# Allegro board SG2042_EVB_V1_1.brd (continued)
## Routing (per net, layer and track width the routed paths; a pad name or vN(x,y) marks a point on that pad's centre or on a via; arc(x,y) is an arc through that point) (continued)
  ART03 w0.168: 106.97,85.53 91.25,85.53 87.21,89.57 80.95,89.57 arc(80.63,89.51) 80.36,89.33 80,88.97 arc(79.73,88.79) 79.41,88.72 79.05,88.72 arc(78.73,88.79) 78.46,88.97 78.1,89.33 arc(77.83,89.51) 77.51,89.57 77.15,89.57 arc(76.83,89.51) 76.56,89.33 76.2,88.97 arc(75.93,88.79) 75.61,88.72 73.23,88.72 arc(72.91,88.66) 72.64,88.48 72.28,88.12 arc(72.01,87.94) 71.68,87.87 71.56,87.87 arc(71.24,87.94) 70.96,88.12 70.61,88.48 arc(70.33,88.66) 70.01,88.72 69.66,88.72 arc(69.34,88.66) 69.06,88.48 68.71,88.12 arc(68.43,87.94) 68.11,87.87 J3.91
DDR2_PAR: length 54.9
  TOP w0.16: U1.BD2 v1(110.97,90.15)
  BOTTOM w0.089: 97.54,89.52 97.66,89.4 109.19,89.4 109.56,89.77 110.6,89.77 v1(110.97,90.15)
  BOTTOM w0.16: 97.54,89.52 89.83,97.23 87.73,97.23 83.19,101.77 82.49,101.77 82.33,101.93 82.33,104.01 82.17,104.17 81.77,104.17 81.61,104.01 81.61,101.93 81.45,101.77 76.59,101.77 76.43,101.61 76.43,100.46 76.27,100.3 75.87,100.3 75.71,100.46 75.71,101.61 75.55,101.77 74.77,101.77 arc(74.46,101.71) 74.2,101.54 73.23,100.56 73,100.56 72.63,100.93 72.41,100.93 72.12,100.65 72.12,100.42 72.49,100.05 72.49,99.83 J3.222
DDR2_PLL_TESTOUT_N: length 1.4
  TOP w0.16: U1.BA9 v1(117.97,93.15)
  BOTTOM w0.109: T26.1 v1(117.97,93.15)
DDR2_PLL_TESTOUT_P: length 1.4
  TOP w0.16: U1.AY9 v1(117.97,94.15)
  BOTTOM w0.109: T25.1 v1(117.97,94.15)
DDR2_RESET_N: length 70.6
  TOP w0.16: J3.58 67.28,121.53 arc(67.17,121.7) 67.12,121.9 67.12,121.94 arc(67.08,122.14) 66.97,122.31 66.79,122.49 arc(66.53,122.66) 66.23,122.72 64.97,122.72 arc(64.68,122.78) 64.43,122.94 T21.1 ; U1.BA5 v1(113.97,93.15)
  BOTTOM w0.114: 101.94,92.36 102.05,92.26 109.05,92.26 109.55,92.76 113.59,92.76 v1(113.97,93.15)
  BOTTOM w0.16: 101.94,92.36 91.95,102.35 89.85,102.35 87.65,104.56 87.65,113.45 82.25,118.85 82.25,119.65 81.72,120.17 80.94,120.17 arc(80.63,120.23) 80.37,120.41 79.99,120.79 arc(79.73,120.96) 79.43,121.02 79.04,121.02 arc(78.73,120.96) 78.47,120.79 78.09,120.41 arc(77.83,120.23) 77.53,120.17 77.14,120.17 arc(76.83,120.23) 76.57,120.41 76.19,120.79 arc(75.93,120.96) 75.63,121.02 74.34,121.02 arc(74.03,120.96) 73.77,120.79 73.39,120.41 arc(73.13,120.23) 72.83,120.17 71.54,120.17 arc(71.24,120.23) 70.98,120.41 70.59,120.79 arc(70.33,120.96) 70.03,121.02 J3.58
DDR2_VDDPLL: length 1
  BOTTOM w0.381: FB18.1 125.38,103.55 v1(125.47,103.65)
DDR2_VDDQCK: length 1
  BOTTOM w0.381: v1(125.47,104.65) 125.38,104.74 FB17.1
DDR3_ACT_N: length 53.5
  TOP w0.16: J4.62 79.43,117.62 arc(79.73,117.68) 79.99,117.86 80.21,118.08 arc(80.47,118.25) 80.78,118.31 81.27,118.31 81.57,118.01 89.13,118.01 94.48,123.36 94.71,123.36 96.1,121.98 96.32,121.98 96.6,122.26 96.6,122.48 95.22,123.87 95.22,124.1 95.5,124.38 95.73,124.38 97.11,122.99 97.34,122.99 97.62,123.28 97.62,123.5 96.24,124.89 96.24,125.12 96.52,125.4 96.75,125.4 98.13,124.01 98.36,124.01 98.64,124.3 98.64,124.52 97.28,125.88 97.28,126.11 97.53,126.36 97.82,126.36 99.15,125.03 99.38,125.03 99.66,125.31 99.66,125.54 99.33,125.87 99.33,126.1 99.61,126.38 99.84,126.38 100.17,126.05 100.4,126.05 100.91,126.57 109.24,126.57 109.61,126.94 109.61,126.99 109.77,127.15 110.97,127.15 U1.H2
DDR3_ALERT_N: length 42.6
  TOP w0.16: U1.J2 110.97,125.15 109.38,125.15 109.24,125.29 101.45,125.29 92.09,115.92 J4.208 79.04,115.92 arc(78.73,115.98) 78.47,116.16 78.09,116.54 arc(77.83,116.71) 77.53,116.77 77.14,116.77 arc(76.83,116.71) 76.57,116.54 76.19,116.16 arc(75.93,115.98) 75.63,115.92 73.61,115.92 R2244.1
DDR3_ATB0: length 1.4
  TOP w0.16: U1.R9 v1(117.97,120.15)
  BOTTOM w0.102: T29.1 v1(117.97,120.15)
DDR3_ATB1: length 1.4
  TOP w0.16: U1.P9 v1(117.97,121.15)
  BOTTOM w0.102: T30.1 v1(117.97,121.15)
DDR3_BA0: length 58.3
  TOP w0.16: U1.L4 v1(112.97,124.15)
  ART10 w0.089: 107.97,126.02 110.21,123.77 112.6,123.77 v1(112.97,124.15)
  ART10 w0.168: 107.97,126.02 100.41,126.02 86.05,111.66 86.05,109.38 85.44,108.76 85.44,100.27 81.54,96.37 80.96,96.37 arc(80.63,96.44) 80.36,96.62 80,96.98 arc(79.73,97.16) 79.41,97.22 79.05,97.22 arc(78.73,97.16) 78.46,96.98 78.1,96.62 arc(77.83,96.44) 77.51,96.37 J4.81
DDR3_BA1: length 54.7
  TOP w0.16: U1.L5 v1(113.97,124.15)
  ART10 w0.089: v1(113.97,124.15) 113.57,124.55 110.14,124.55 108.18,126.52 107.97,126.52
  ART10 w0.168: J4.224 82.52,98.76 82.52,98.99 82.26,99.25 82.26,99.48 82.56,99.78 82.8,99.78 83.05,99.53 83.29,99.53 83.58,99.82 83.58,100.06 83.33,100.31 83.33,100.55 83.63,100.85 83.86,100.85 84.12,100.59 84.36,100.59 84.93,101.17 84.93,108.97 85.55,109.58 85.55,111.87 100.2,126.52 107.97,126.52
DDR3_BG0: length 52.6
  TOP w0.16: U1.J3 v1(111.97,126.15)
  ART05 w0.168: J4.63 77.51,116.77 arc(77.83,116.84) 78.1,117.02 78.46,117.38 arc(78.73,117.56) 79.05,117.62 79.41,117.62 arc(79.73,117.69) 80,117.87 80.38,118.25 arc(80.65,118.43) 80.97,118.49 81.53,118.49 81.99,118.95 82.52,118.95 82.69,118.78 82.69,117.74 82.86,117.58 83.28,117.58 83.45,117.74 83.45,118.78 83.61,118.95 84.03,118.95 84.2,118.78 84.2,117.74 84.37,117.58 84.79,117.58 84.96,117.74 84.96,118.78 85.12,118.95 85.54,118.95 85.71,118.78 85.71,117.74 85.88,117.58 86.3,117.58 86.46,117.74 86.46,118.78 86.63,118.95 87.05,118.95 87.22,118.78 87.22,117.74 87.39,117.58 87.81,117.58 87.97,117.74 87.97,118.78 88.14,118.95 88.56,118.95 88.73,118.78 88.73,117.74 88.9,117.58 89.31,117.58 89.48,117.74 89.48,118.78 89.65,118.95 93.43,118.95 100.63,126.15 v1(111.97,126.15)
DDR3_BG1: length 55
  TOP w0.16: U1.H1 110.46,126.65 109.74,125.93 101.19,125.93 96.29,121.02 96.06,121.02 94.67,122.41 94.45,122.41 94.16,122.13 94.16,121.9 95.55,120.51 95.55,120.29 95.27,120.01 95.04,120.01 93.65,121.39 93.43,121.39 93.14,121.11 93.14,120.88 94.53,119.5 94.53,119.27 94.25,118.99 94.02,118.99 92.64,120.37 92.41,120.37 92.13,120.09 92.13,119.87 93.51,118.48 93.51,118.25 93.23,117.97 93,117.97 91.62,119.36 91.39,119.36 91.11,119.07 91.11,118.85 92.5,117.46 92.5,117.23 92.21,116.95 91.99,116.95 90.6,118.34 90.37,118.34 90.09,118.05 90.09,117.83 90.66,117.25 90.66,117.03 90.38,116.75 90.15,116.75 89.58,117.32 89.35,117.32 88.81,116.77 J4.207
DDR3_CAL_0: length 3
  TOP w0.16: U1.U9 v1(117.97,118.15)
  BOTTOM w0.102: T28.1 117.23,118.89 R2385.1 117.47,118.65 v1(117.97,118.15)
DDR3_CID0: length 64.5
  TOP w0.16: U1.P7 v1(115.97,120.15)
  ART10 w0.089: v1(115.97,120.15) 114.68,119.55 111.59,119.55 109.47,120.27 109.04,120.42 107.97,121.49
  ART10 w0.168: 107.97,121.49 102.29,121.49 94.51,113.71 94.51,105.02 86.1,90.34 86.1,90.34 81.79,86.03 80.81,86.03 arc(80.49,85.97) 80.22,85.78 80,85.57 arc(79.73,85.39) 79.41,85.32 79.05,85.32 arc(78.73,85.39) 78.46,85.57 78.1,85.93 arc(77.83,86.11) 77.51,86.17 J4.93
DDR3_CID1: length 59.8
  TOP w0.16: U1.R6 v1(114.97,120.15)
  ART10 w0.089: 107.97,121.99 109.17,120.79 110.76,120.79 111.8,119.74 114.57,119.74 v1(114.97,120.15)
  ART10 w0.168: J4.237 79.54,86.33 81.38,86.33 85.7,90.65 94.01,105.16 94.01,113.92 102.08,121.99 107.97,121.99
DDR3_CKE0: length 56.6
  TOP w0.16: J4.60 79.43,119.32 arc(79.73,119.26) 79.99,119.09 80.21,118.87 arc(80.47,118.69) 80.78,118.63 81.27,118.63 81.43,118.79 89.01,118.79 89.93,119.71 89.93,119.94 88.88,120.99 88.88,121.21 89.16,121.5 89.39,121.5 90.44,120.45 90.66,120.45 90.95,120.73 90.95,120.96 89.9,122.01 89.9,122.23 90.18,122.52 90.41,122.52 91.46,121.47 91.68,121.47 91.97,121.75 91.97,121.98 90.92,123.03 90.92,123.25 91.2,123.53 91.43,123.53 92.47,122.49 92.7,122.49 92.98,122.77 92.98,123 91.94,124.04 91.94,124.27 92.22,124.55 92.44,124.55 93.49,123.5 93.72,123.5 94,123.79 94,124.01 92.95,125.06 92.95,125.29 93.24,125.57 93.46,125.57 94.51,124.52 94.74,124.52 95.02,124.81 95.02,125.03 93.97,126.08 93.97,126.31 94.26,126.59 94.48,126.59 95.53,125.54 95.76,125.54 97.42,127.21 109.17,127.21 109.61,127.65 U1.G1
DDR3_CKE1: length 52.4
  TOP w0.16: U1.F3 v1(111.97,128.15)
  ART05 w0.168: v1(111.97,128.15) 100.63,128.15 92.66,120.17 89.8,120.17 89.63,120.34 89.63,121.78 89.47,121.95 89.05,121.95 88.88,121.78 88.88,120.34 88.71,120.17 88.29,120.17 88.13,120.34 88.13,121.78 87.96,121.95 87.54,121.95 87.37,121.78 87.37,120.34 87.2,120.17 86.78,120.17 86.62,120.34 86.62,121.78 86.45,121.95 86.03,121.95 85.86,121.78 85.86,120.34 85.7,120.17 85.28,120.17 85.11,120.34 85.11,121.78 84.94,121.95 84.52,121.95 84.35,121.78 84.35,120.34 84.19,120.17 83.77,120.17 83.6,120.34 83.6,121.78 83.43,121.95 83.01,121.95 82.85,121.78 82.85,120.34 82.68,120.17 J4.203
DDR3_CLK0_N: length 54.7
  TOP w0.14: U1.J5 v1(113.97,126.15)
  ART10 w0.109: v1(113.97,126.15) 114.36,126.15 114.48,126.27 114.48,126.42 114.36,126.54 110.84,126.54 108.32,129.06 108.02,129.06 107.99,129.04 107.97,129.04
  ART10 w0.145: 107.97,129.04 99.16,129.04 94.1,123.97 92.72,123.97 84.81,116.06 84.81,115.85 85.14,115.52 85.14,115.1 84.57,114.53 84.15,114.53 83.82,114.87 83.61,114.87 83.04,114.29 83.04,110.63 82.42,110.01 82.42,108.91 81.65,108.14 80.96,108.14 arc(80.69,108.08) 80.45,107.93 80.1,107.58 arc(79.78,107.36) 79.4,107.29 79.06,107.29 arc(78.79,107.23) 78.55,107.08 78.2,106.73 arc(77.88,106.51) 77.5,106.44 76.78,106.44 arc(76.77,106.44) 76.77,106.44 arc(76.77,106.44) 76.77,106.44 76.58,106.44 arc(76.53,106.44) 76.48,106.45 J4.75
DDR3_CLK0_P: length 54.8
  TOP w0.14: U1.J6 v1(114.97,126.15)
  ART10 w0.109: v1(114.97,126.15) 114.69,126.43 114.69,126.51 114.69,126.51 114.45,126.75 110.93,126.75 108.41,129.27 108.02,129.27 107.99,129.3 107.97,129.3
  ART10 w0.145: 107.97,129.3 99.05,129.3 93.99,124.24 92.61,124.24 84.54,116.17 84.54,115.75 84.87,115.41 84.87,115.21 84.46,114.8 84.26,114.8 83.93,115.13 83.5,115.13 82.77,114.4 82.77,110.74 82.15,110.12 82.15,109.02 81.54,108.4 80.96,108.4 arc(80.58,108.33) 80.26,108.11 79.92,107.77 arc(79.68,107.61) 79.4,107.55 79.06,107.55 arc(78.68,107.48) 78.36,107.26 78.02,106.92 arc(77.78,106.76) 77.5,106.7 76.78,106.7 arc(76.66,106.74) 76.58,106.82 76.57,106.83 arc(76.56,107.01) 76.67,107.15 J4.74
DDR3_CLK1_N: length 55.7
  TOP w0.14: U1.K6 v1(114.97,125.15)
  ART10 w0.109: v1(114.97,125.15) 115.36,125.15 115.47,125.26 115.47,125.43 115.36,125.54 110.71,125.54 108.32,127.93 108.02,127.93 107.99,127.9 107.97,127.9
  ART10 w0.145: J4.219 80.28,106.45 arc(80.33,106.44) 80.38,106.44 81.59,106.44 83.55,108.4 83.55,109.54 84.17,110.16 84.17,112.44 86.8,115.08 86.8,115.5 86.49,115.81 86.49,116.02 86.9,116.43 87.1,116.43 87.42,116.11 87.84,116.11 88.41,116.68 88.41,117.1 88.09,117.42 88.09,117.62 88.5,118.03 88.71,118.03 89.02,117.72 89.44,117.72 90.01,118.28 90.01,118.71 89.69,119.02 89.69,119.23 90.1,119.64 90.31,119.64 90.62,119.32 91.05,119.32 91.61,119.89 91.61,120.31 91.3,120.62 91.3,120.83 91.71,121.24 91.91,121.24 92.23,120.92 92.65,120.92 93.22,121.49 93.22,121.91 92.91,122.22 92.91,122.41 93.33,122.84 93.52,122.84 93.83,122.53 94.25,122.53 99.63,127.9 107.97,127.9
DDR3_CLK1_P: length 55.8
  TOP w0.14: U1.K7 v1(115.97,125.15)
  ART10 w0.109: 107.97,128.17 107.99,128.17 108.02,128.14 108.41,128.14 110.8,125.75 115.45,125.75 115.68,125.52 115.68,125.44 v1(115.97,125.15)
  ART10 w0.145: J4.218 80.47,107.15 arc(80.35,106.88) 80.58,106.7 81.48,106.7 83.29,108.51 83.29,109.65 83.9,110.27 83.9,112.55 86.54,115.19 86.54,115.39 86.22,115.7 86.22,116.13 86.79,116.69 87.21,116.69 87.53,116.38 87.73,116.38 88.14,116.79 88.14,116.99 87.83,117.31 87.83,117.73 88.39,118.3 88.82,118.3 89.13,117.98 89.33,117.98 89.74,118.39 89.74,118.6 89.43,118.91 89.43,119.33 90,119.9 90.42,119.9 90.73,119.59 90.94,119.59 91.35,119.99 91.35,120.2 91.03,120.51 91.03,120.94 91.6,121.5 92.02,121.5 92.34,121.19 92.54,121.19 92.95,121.6 92.95,121.8 92.64,122.11 92.64,122.52 93.22,123.1 93.63,123.1 93.94,122.79 94.14,122.79 99.52,128.17 107.97,128.17
DDR3_CS_N0: length 57.8
  TOP w0.16: U1.N4 v1(112.97,122.15)
  ART10 w0.089: v1(112.97,122.15) 112.6,122.52 111.62,122.52 111.12,123.02 109.45,123.02 107.97,124.51
  ART10 w0.168: 107.97,124.51 101.04,124.51 87.56,111.03 87.56,108.75 86.95,108.13 86.95,98.3 81.86,93.21 81.36,93.21 81.27,93.13 80.8,93.13 arc(80.48,93.19) 80.21,93.37 80,93.58 arc(79.73,93.76) 79.41,93.82 J4.84
DDR3_CS_N1: length 61.3
  TOP w0.16: U1.P4 v1(112.97,121.15)
  ART10 w0.089: v1(112.97,121.15) 112.6,120.77 111.76,120.77 111.02,121.52 109.45,121.52 107.97,123
  ART10 w0.168: J4.89 77.51,89.57 arc(77.83,89.51) 78.1,89.33 78.46,88.97 arc(78.73,88.79) 79.05,88.72 79.41,88.72 arc(79.73,88.79) 80,88.97 80.36,89.33 arc(80.63,89.51) 80.95,89.57 81.41,89.57 82.22,90.38 82.22,91.36 88.45,97.6 88.45,107.51 89.07,108.13 89.07,110.41 101.66,123 107.97,123
DDR3_DM0_N: length 65.1
  TOP w0.109: U1.B12 121.65,132.82 121.85,132.82 122.08,133.05 122.08,135.06 122.14,135.12 122.14,135.15
  TOP w0.14: J4.8 76.47,163.9 arc(76.33,163.91) 76.22,163.82 76.2,163.78 arc(76.17,163.62) 76.24,163.47 76.67,163.04 arc(76.9,162.89) 77.17,162.84 77.5,162.84 arc(77.77,162.89) 77.99,163.04 78.34,163.38 arc(78.67,163.61) 79.07,163.69 79.4,163.69 arc(79.67,163.74) 79.89,163.89 80.24,164.24 arc(80.57,164.46) 80.97,164.54 82.08,164.54 82.68,163.94 91.47,163.94 111.32,144.09 116.47,144.09 122.14,138.42 122.14,135.15
DDR3_DM0_P: length 65.1
  TOP w0.109: 121.81,135.15 121.81,135.12 121.87,135.06 121.87,134.81 arc(121.82,134.7) 121.71,134.66 arc(121.6,134.61) 121.56,134.5 121.56,134.37 arc(121.6,134.26) 121.71,134.22 arc(121.82,134.17) 121.87,134.06 121.87,133.14 121.76,133.03 121.58,133.03 121.47,133.14 U1.A12
  TOP w0.14: J4.7 75.83,163.53 arc(75.9,163.37) 76.01,163.24 76.44,162.81 arc(76.77,162.58) 77.17,162.51 77.5,162.51 arc(77.89,162.58) 78.23,162.81 78.57,163.15 arc(78.8,163.3) 79.07,163.36 79.4,163.36 arc(79.79,163.43) 80.13,163.66 80.47,164 arc(80.7,164.15) 80.97,164.21 81.95,164.21 82.55,163.6 91.34,163.6 111.18,143.76 116.34,143.76 121.81,138.29 121.81,135.15
DDR3_DM1_N: length 53.1
  TOP w0.109: U1.A7 116.47,133.2 116.58,133.09 116.76,133.09 116.87,133.2 116.87,133.96 116.5,134.33 116.5,134.59 arc(116.44,134.73) 116.3,134.79 arc(116.16,134.85) 116.1,134.99 116.1,135.03 arc(116.16,135.17) 116.3,135.23 116.36,135.23 arc(116.46,135.27) 116.5,135.37 116.5,135.63 115.95,136.18 115.87,136.18 115.85,136.2
  TOP w0.14: 115.85,136.2 113.91,138.14 97.83,138.14 81.97,154.01 80.97,154.01 arc(80.57,154.08) 80.24,154.31 79.89,154.65 arc(79.67,154.8) 79.4,154.86 79.07,154.86 arc(78.8,154.8) 78.57,154.65 78.23,154.31 arc(77.89,154.08) 77.5,154.01 76.72,154.01 arc(76.71,154.01) 76.71,154.01 arc(76.7,154.01) 76.7,154.01 76.57,154.01 arc(76.51,154.01) 76.45,154.02 J4.19
DDR3_DM1_P: length 53
  TOP w0.109: U1.B7 116.71,132.88 116.85,132.88 117.08,133.12 117.08,134.05 116.71,134.42 116.71,135.72 116.08,136.34 116.08,136.43
  TOP w0.14: 116.08,136.43 114.04,138.47 97.97,138.47 82.1,154.34 80.97,154.34 arc(80.7,154.39) 80.47,154.54 80.13,154.89 arc(79.79,155.11) 79.4,155.19 79.07,155.19 arc(78.67,155.11) 78.34,154.89 77.99,154.54 arc(77.77,154.39) 77.5,154.34 76.72,154.34 arc(76.63,154.36) 76.56,154.43 76.56,154.43 arc(76.54,154.61) 76.66,154.74 J4.18
DDR3_DM2_N: length 64.8
  TOP w0.14: U1.G13 v1(122.97,128.15)
  ART10 w0.109: v1(122.97,128.15) 122.97,127.87 122.86,127.76 122.69,127.76 122.58,127.88 122.58,132.75 123.09,133.26 123.09,135.09 123.11,135.12 123.11,135.15
  ART10 w0.145: J4.30 76.54,145.16 arc(76.37,145.18) 76.23,145.07 76.23,145.06 arc(76.19,144.86) 76.29,144.68 76.65,144.32 arc(76.89,144.16) 77.16,144.1 77.5,144.1 arc(77.78,144.16) 78.02,144.32 78.36,144.66 arc(78.68,144.88) 79.06,144.95 79.4,144.95 arc(79.68,145.01) 79.91,145.17 80.26,145.51 arc(80.58,145.73) 80.96,145.8 94.78,145.8 96.65,143.94 99.21,143.94 100.26,144.99 115.71,144.99 123.11,137.59 123.11,135.15
DDR3_DM2_P: length 64.7
  TOP w0.14: U1.H13 v1(122.97,127.15)
  ART10 w0.109: 122.85,135.15 122.85,135.12 122.88,135.09 122.88,133.35 122.37,132.84 122.37,127.79 122.6,127.55 122.86,127.55 122.97,127.44 v1(122.97,127.15)
  ART10 w0.145: J4.29 75.87,144.83 arc(75.94,144.68) 76.04,144.55 76.46,144.13 arc(76.78,143.91) 77.16,143.84 77.5,143.84 arc(77.88,143.91) 78.2,144.13 78.55,144.48 arc(78.79,144.63) 79.06,144.69 79.4,144.69 arc(79.78,144.76) 80.1,144.98 80.45,145.33 arc(80.68,145.48) 80.96,145.54 94.67,145.54 96.54,143.68 99.32,143.68 100.37,144.73 115.6,144.73 122.85,137.48 122.85,135.15
DDR3_DM3_N: length 49.9
  TOP w0.14: U1.H8 v1(116.97,127.15)
  ART10 w0.109: v1(116.97,127.15) 116.97,127.47 116.86,127.58 116.62,127.58 116.37,127.83 116.37,133.48 115.04,134.81 115.01,134.81 114.99,134.83
  ART10 w0.145: J4.41 76.48,135.35 arc(76.53,135.34) 76.58,135.34 77.5,135.34 arc(77.88,135.41) 78.2,135.63 78.55,135.98 arc(78.79,136.13) 79.06,136.19 79.4,136.19 arc(79.68,136.13) 79.92,135.98 80.26,135.63 arc(80.58,135.41) 80.96,135.34 83.07,135.34 83.49,135.77 114.05,135.77 114.99,134.83
DDR3_DM3_P: length 49.9
  TOP w0.14: U1.G8 v1(116.97,128.15)
  ART10 w0.109: 115.17,135.01 115.19,134.99 115.19,134.95 116.58,133.57 116.58,127.92 116.71,127.79 116.86,127.79 116.97,127.9 v1(116.97,128.15)
  ART10 w0.145: 115.17,135.01 114.16,136.03 83.38,136.03 82.96,135.6 80.96,135.6 arc(80.69,135.66) 80.45,135.82 80.1,136.16 arc(79.78,136.38) 79.4,136.45 79.06,136.45 arc(78.68,136.38) 78.36,136.16 78.01,135.82 arc(77.78,135.66) 77.5,135.6 76.77,135.6 arc(76.67,135.63) 76.59,135.72 76.57,135.75 arc(76.56,135.92) 76.67,136.05 J4.40
DDR3_DM4_N: length 62.4
  TOP w0.109: U1.U3 112.94,117.65 113.05,117.54 113.05,117.37 112.94,117.25 109.06,117.25 109,117.31 108.97,117.31
  TOP w0.14: J4.100 76.48,80.6 arc(76.33,80.61) 76.21,80.52 76.2,80.51 arc(76.17,80.34) 76.25,80.19 76.7,79.74 arc(76.92,79.59) 77.19,79.54 77.5,79.54 arc(77.77,79.59) 77.99,79.74 78.34,80.09 arc(78.67,80.31) 79.07,80.39 79.4,80.39 arc(79.67,80.44) 79.89,80.59 80.24,80.94 arc(80.57,81.16) 80.97,81.24 82.95,81.24 99.26,97.54 99.26,110.44 106.13,117.31 108.97,117.31
DDR3_DM4_P: length 62.4
  TOP w0.109: U1.U4 113.26,117.43 113.26,117.28 113.02,117.04 109.06,117.04 109,116.98 108.97,116.98
  TOP w0.14: J4.99 75.84,80.24 arc(75.91,80.09) 76.02,79.96 76.46,79.51 arc(76.8,79.28) 77.19,79.21 77.5,79.21 arc(77.89,79.28) 78.23,79.51 78.57,79.85 arc(78.8,80) 79.07,80.06 79.4,80.06 arc(79.79,80.13) 80.13,80.36 80.47,80.7 arc(80.7,80.85) 80.97,80.91 83.09,80.91 99.59,97.4 99.59,110.3 106.27,116.98 108.97,116.98
DDR3_DM5_N: length 67.2
  TOP w0.109: 107.79,110.58 107.81,110.6 107.81,110.68 109.17,112.04 113.01,112.04 113.24,112.27 113.24,112.41 U1.AB4
  TOP w0.14: J4.111 76.45,70.72 arc(76.51,70.71) 76.57,70.71 77.5,70.71 arc(77.89,70.78) 78.23,71.01 78.57,71.35 arc(78.8,71.5) 79.07,71.56 79.4,71.56 arc(79.67,71.5) 79.89,71.35 80.24,71.01 arc(80.57,70.78) 80.97,70.71 87.1,70.71 105.33,88.93 105.33,108.12 107.79,110.58
DDR3_DM5_P: length 67.1
  TOP w0.109: 107.55,110.81 107.57,110.83 107.66,110.83 109.08,112.25 112.92,112.25 113.03,112.36 113.03,112.54 112.92,112.65 U1.AB3
  TOP w0.14: 107.55,110.81 105,108.25 105,89.07 86.97,71.04 80.97,71.04 arc(80.7,71.09) 80.47,71.24 80.13,71.59 arc(79.79,71.81) 79.4,71.89 79.07,71.89 arc(78.67,71.81) 78.34,71.59 77.99,71.24 arc(77.77,71.09) 77.5,71.04 76.73,71.04 arc(76.65,71.06) 76.59,71.12 76.55,71.2 arc(76.54,71.32) 76.61,71.42 J4.110
DDR3_DM6_N: length 85
  TOP w0.14: U1.V6 v1(114.97,116.15)
  ART10 w0.109: v1(114.97,116.15) 114.66,116.46 114.66,116.51 114.42,116.75 111.43,116.75 110.31,117.87 108.02,117.87 107.99,117.9 107.97,117.9
  ART10 w0.145: J4.122 76.54,61.86 arc(76.37,61.88) 76.23,61.77 76.23,61.76 arc(76.19,61.56) 76.29,61.38 76.65,61.02 arc(76.89,60.86) 77.16,60.8 77.5,60.8 arc(77.78,60.86) 78.02,61.02 78.36,61.36 arc(78.68,61.58) 79.06,61.65 79.4,61.65 arc(79.68,61.71) 79.91,61.87 80.26,62.21 arc(80.58,62.43) 80.96,62.5 82.24,62.5 97.69,77.95 97.69,96.02 98.1,96.43 98.1,111.82 104.18,117.9 107.97,117.9
DDR3_DM6_P: length 84.9
  TOP w0.14: U1.V5 v1(113.97,116.15)
  ART10 w0.109: v1(113.97,116.15) 114.34,116.15 114.45,116.26 114.45,116.43 114.33,116.54 111.35,116.54 110.23,117.66 108.02,117.66 107.99,117.63 107.97,117.63
  ART10 w0.145: J4.121 75.87,61.53 arc(75.94,61.38) 76.04,61.25 76.46,60.83 arc(76.78,60.61) 77.16,60.54 77.5,60.54 arc(77.88,60.61) 78.2,60.83 78.55,61.18 arc(78.79,61.33) 79.06,61.39 79.4,61.39 arc(79.78,61.46) 80.1,61.68 80.45,62.03 arc(80.68,62.18) 80.96,62.24 82.35,62.24 97.95,77.84 97.95,95.91 98.37,96.32 98.37,111.71 104.29,117.63 107.97,117.63
DDR3_DM7_N: length 90.5
  TOP w0.14: U1.AC5 v1(113.97,111.15)
  ART10 w0.109: v1(113.97,111.15) 114.33,111.15 114.44,111.26 114.44,111.42 114.31,111.55 110.94,111.55 110.43,111.04 109.83,111.04 109.02,110.23 108.02,110.23 107.99,110.2 107.97,110.2
  ART10 w0.145: J4.133 76.48,52.05 arc(76.53,52.04) 76.58,52.04 77.5,52.04 arc(77.88,52.11) 78.2,52.33 78.55,52.68 arc(78.79,52.83) 79.06,52.89 79.4,52.89 arc(79.68,52.83) 79.92,52.68 80.26,52.33 arc(80.58,52.11) 80.96,52.04 91.81,52.04 105.39,65.61 105.39,92.83 105.8,93.24 105.8,108.63 107.37,110.2 107.97,110.2
DDR3_DM7_P: length 90.5
  TOP w0.14: U1.AC6 v1(114.97,111.15)
  ART10 w0.109: 107.97,110.47 107.99,110.47 108.02,110.44 108.93,110.44 109.74,111.25 110.34,111.25 110.85,111.76 114.4,111.76 114.65,111.51 114.65,111.47 v1(114.97,111.15)
  ART10 w0.145: J4.132 76.67,52.75 arc(76.56,52.62) 76.57,52.45 76.59,52.42 arc(76.67,52.33) 76.77,52.3 77.5,52.3 arc(77.78,52.36) 78.01,52.52 78.36,52.86 arc(78.68,53.08) 79.06,53.15 79.4,53.15 arc(79.78,53.08) 80.1,52.86 80.45,52.52 arc(80.69,52.36) 80.96,52.3 91.7,52.3 105.12,65.72 105.12,92.94 105.53,93.35 105.53,108.74 107.26,110.47 107.97,110.47
DDR3_DQ0: length 68.3
  TOP w0.089: 89.38,165.53 89.4,165.53 89.7,165.83 91.07,165.83 111.76,145.14 116.91,145.14 123.19,138.86 123.19,134.42 123.08,134.3 123.08,133.26 122.87,133.05 122.87,131.04 U1.D13
  TOP w0.16: 89.38,165.53 83.34,165.53 82.74,166.13 80.99,166.13 arc(80.69,166.07) 80.43,165.89 79.99,165.46 arc(79.73,165.28) 79.43,165.22 79.04,165.22 arc(78.73,165.28) 78.47,165.46 78.09,165.84 arc(77.83,166.01) 77.53,166.07 J4.5
DDR3_DQ1: length 59.7
  TOP w0.114: 89.38,164.81 90.04,165.46 90.92,165.46 111.6,144.77 116.76,144.77 122.82,138.71 122.82,134.4 122.86,134.37 122.86,133.49 122.47,133.1 U1.B13
  TOP w0.16: J4.150 80.98,165.22 arc(81.19,165.36) 81.43,165.41 82.44,165.41 83.04,164.81 89.38,164.81
DDR3_DQ2: length 57.9
  TOP w0.114: 100.32,148.88 101,148.88 108.93,140.95 115.17,140.95 119,137.12 119,134.92 119.47,134.45 U1.A10
  TOP w0.16: J4.12 78.65,158.66 arc(78.91,158.48) 79.21,158.42 79.43,158.42 arc(79.73,158.48) 79.99,158.66 80.21,158.88 arc(80.47,159.05) 80.78,159.11 81.27,159.11 81.47,158.91 85.33,158.91 88.01,156.24 92.96,156.24 95.07,154.13 95.07,153.21 95.94,152.34 95.94,152.12 95.71,151.88 95.71,151.66 96,151.37 96.22,151.37 96.45,151.61 96.68,151.61 96.96,151.32 96.96,151.1 96.73,150.87 96.73,150.64 97.01,150.36 97.24,150.36 97.47,150.59 97.7,150.59 99.4,148.88 100.32,148.88
DDR3_DQ3: length 60.4
  TOP w0.089: U1.D10 119.08,131.04 119.08,132.87 119.35,133.15 119.64,133.15 119.87,133.37 119.87,134.44 119.37,134.94 119.37,137.28 115.33,141.32 109.09,141.32 101.16,149.25 100.97,149.25 100.83,149.39
  TOP w0.16: 100.83,149.39 99.96,150.26 99.73,150.26 99.51,150.04 99.28,150.04 99,150.33 99,150.55 99.22,150.77 99.22,151 98.94,151.28 98.71,151.28 98.49,151.06 98.27,151.06 97.98,151.34 97.98,151.57 98.2,151.79 98.2,152.02 97.92,152.3 97.69,152.3 97.47,152.08 97.25,152.08 96.96,152.36 96.96,152.59 97.18,152.81 97.18,153.03 96.9,153.32 96.67,153.32 96.45,153.1 96.23,153.1 95.95,153.38 95.95,153.61 96.17,153.83 96.17,154.05 93.26,156.96 88.31,156.96 85.63,159.63 81.47,159.63 81.27,159.43 79.77,159.43 arc(79.56,159.39) 79.38,159.27 J4.157
DDR3_DQ4: length 67.9
  TOP w0.114: 89.38,166.97 89.8,166.55 91.37,166.55 112.06,145.87 117.21,145.87 123.92,139.16 123.92,134.71 124.09,134.54 124.09,133.26 U1.B14
  TOP w0.16: 89.38,166.97 88.24,168.11 84.19,168.11 83.86,167.77 80.94,167.77 arc(80.63,167.71) 80.37,167.54 79.99,167.16 arc(79.73,166.98) 79.43,166.92 79.04,166.92 arc(78.73,166.98) 78.47,167.16 78.09,167.54 arc(77.83,167.71) 77.53,167.77 J4.3
DDR3_DQ5: length 68
  TOP w0.089: 89.38,166.25 89.44,166.18 91.22,166.18 111.9,145.5 117.06,145.5 123.55,139.01 123.55,134.54 123.87,134.22 123.87,133.42 123.6,133.15 123.37,133.15 123.08,132.86 123.08,132.04 U1.C14
  TOP w0.16: 89.38,166.25 88.09,166.25 87.93,166.41 87.93,167.23 87.77,167.39 87.37,167.39 87.21,167.23 87.21,166.41 87.05,166.25 86.65,166.25 86.49,166.41 86.49,167.23 86.33,167.39 85.93,167.39 85.77,167.23 85.77,166.41 85.61,166.25 85.21,166.25 85.05,166.41 85.05,167.23 84.89,167.39 84.49,167.39 84.33,167.23 84.33,166.41 84.17,166.25 83.64,166.25 82.92,166.97 81.1,166.97 arc(81.03,166.96) J4.148
DDR3_DQ6: length 64.7
  TOP w0.114: U1.A11 120.47,134.57 120.09,134.95 120.09,137.58 115.63,142.04 109.39,142.04 101.85,149.58 101.85,150.41
  TOP w0.16: J4.10 79.43,161.82 arc(79.73,161.76) 79.99,161.59 80.21,161.37 arc(80.47,161.19) 80.78,161.13 81.27,161.13 81.77,161.64 83.2,161.64 83.36,161.48 83.36,161.25 83.52,161.09 83.92,161.09 84.08,161.25 84.08,161.48 84.24,161.64 84.64,161.64 84.8,161.48 84.8,161.25 84.96,161.09 85.36,161.09 85.52,161.25 85.52,161.48 85.68,161.64 86.08,161.64 86.24,161.48 86.24,161.25 86.4,161.09 86.8,161.09 86.96,161.25 86.96,161.48 87.12,161.64 87.52,161.64 87.68,161.48 87.68,160.43 87.84,160.27 88.24,160.27 88.4,160.43 88.4,161.48 88.56,161.64 88.96,161.64 89.12,161.48 89.12,160.43 89.28,160.27 89.68,160.27 89.84,160.43 89.84,161.48 90,161.64 90.62,161.64 101.85,150.41
